# Altium PCB PCIe_to_M2E.PcbDoc (part 4 of 6) (continued)
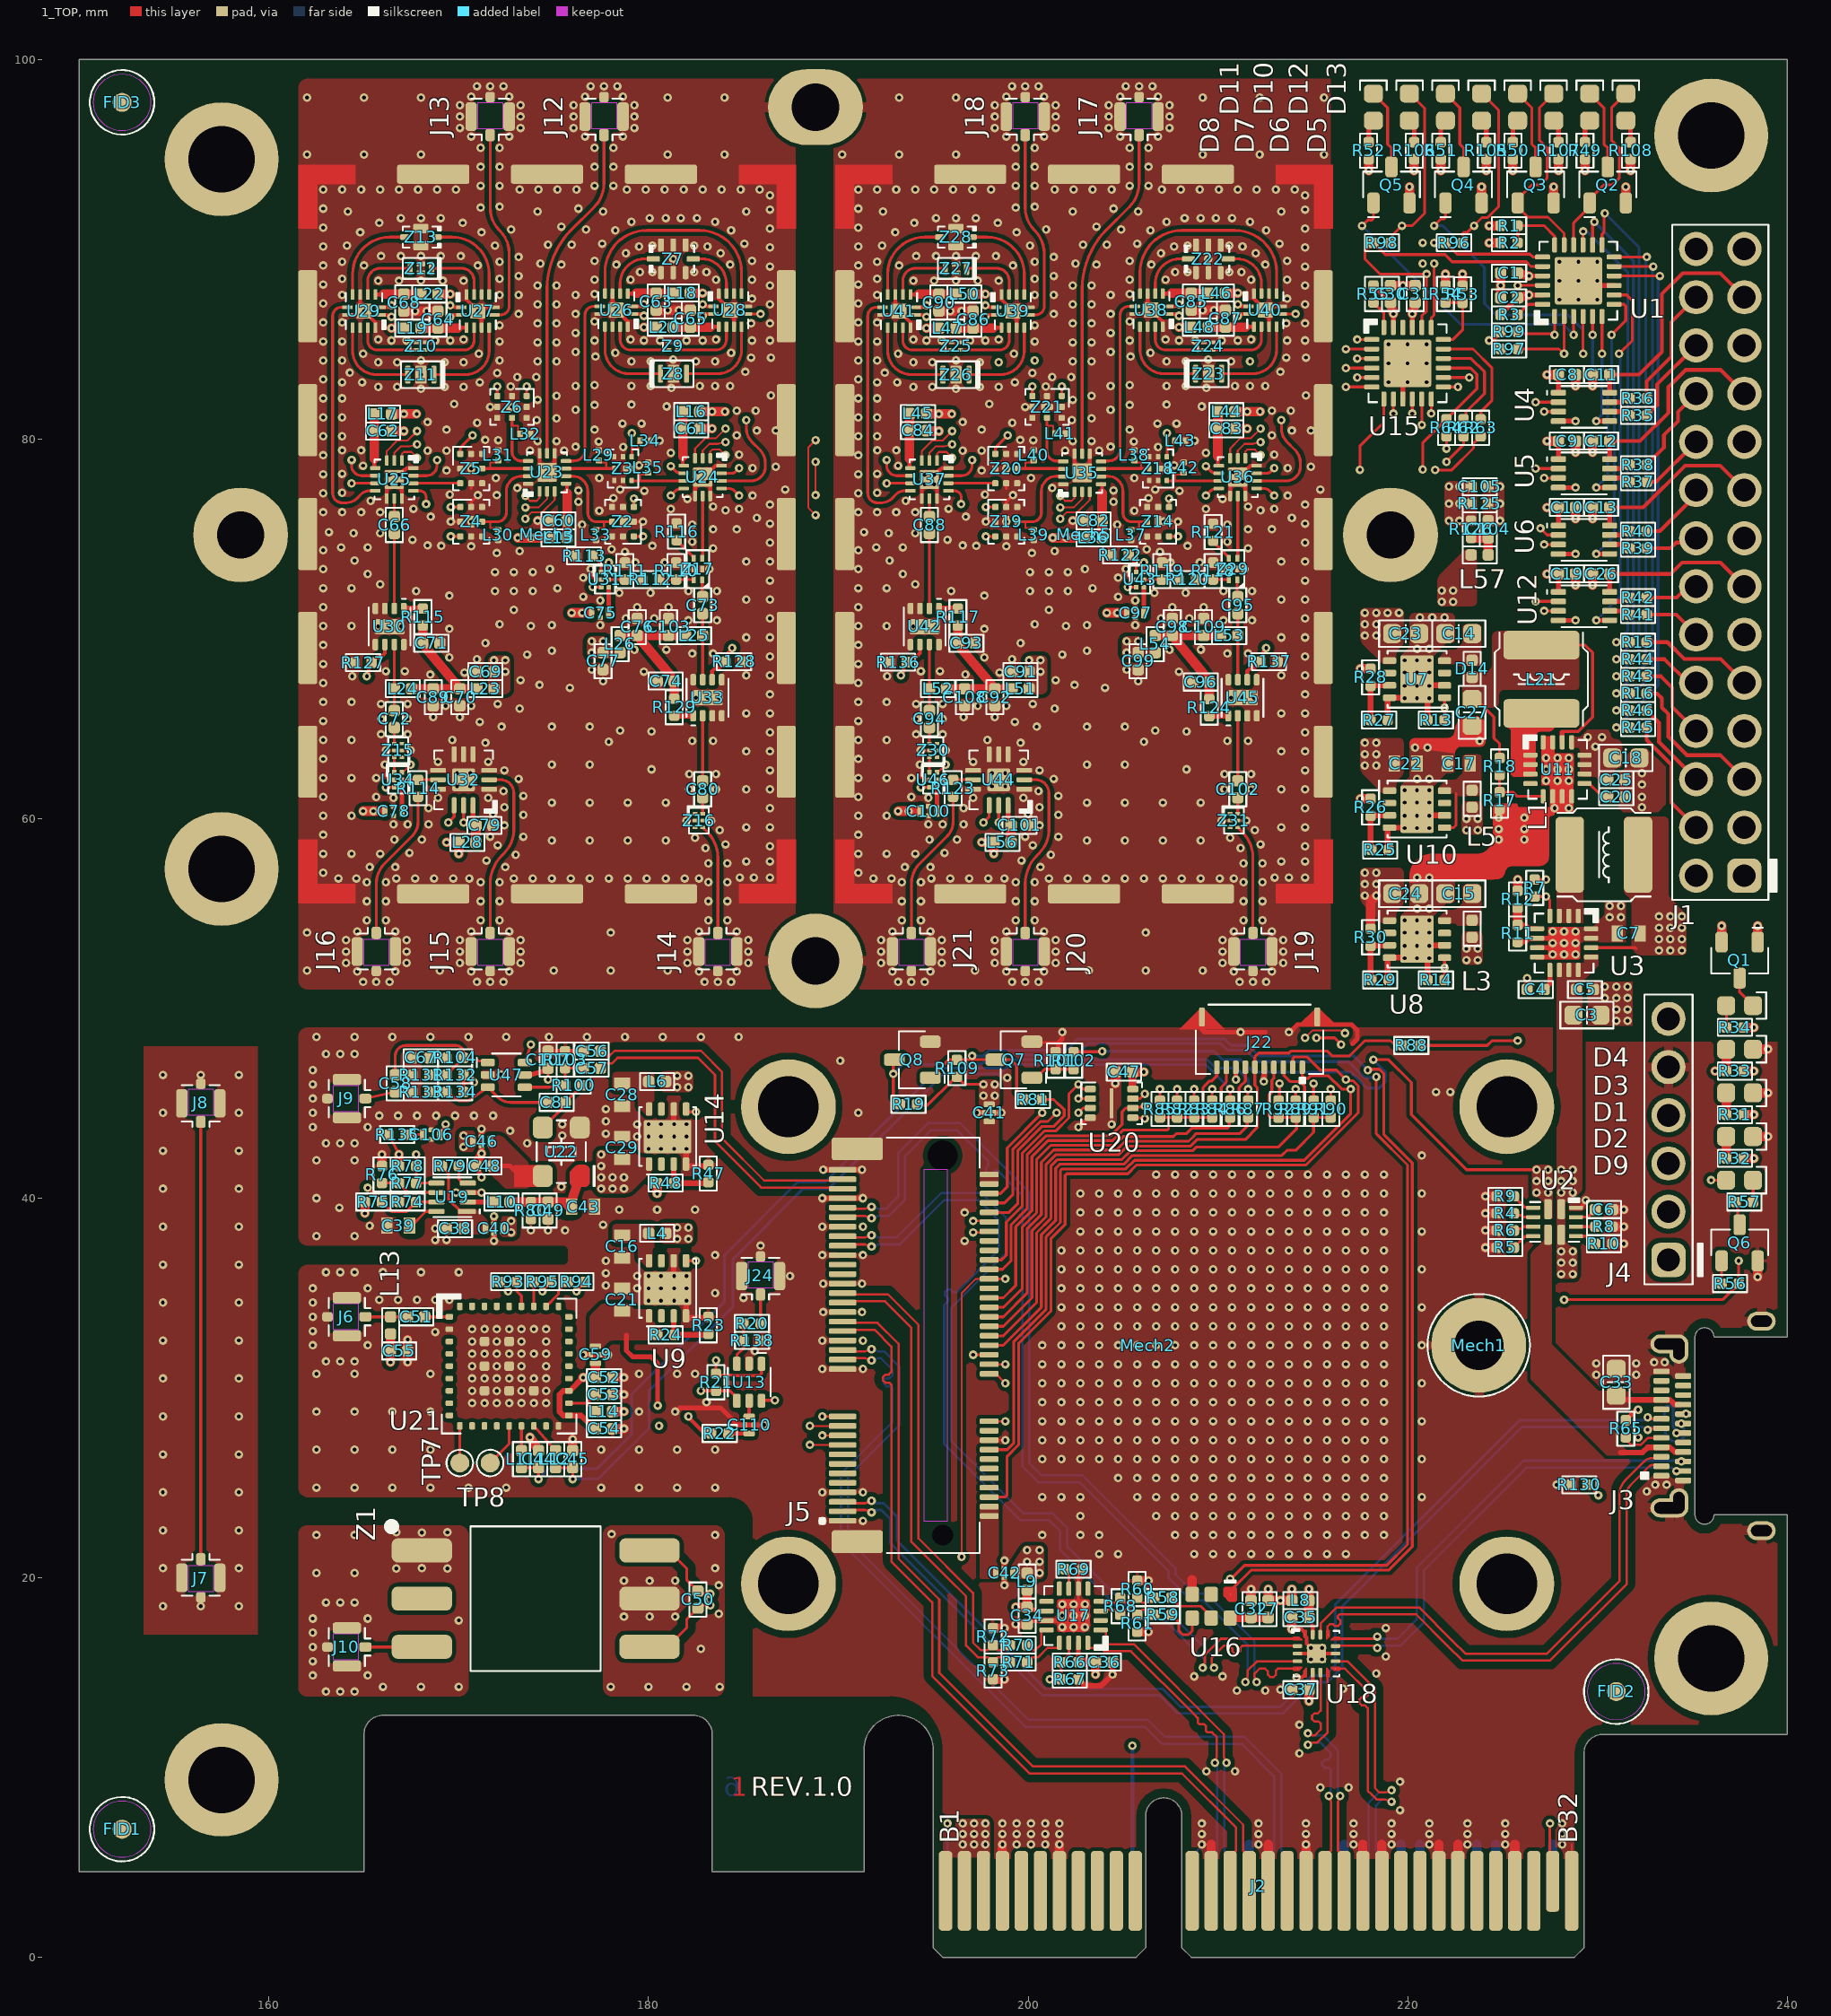
[diagram p0: 1_TOP view]
## Nets (pads, with @x,y where several pads share a name; then routed paths per layer and width w, separated by ;. In a path a pad name is that pad's centre, name@x,y a point inside that pad or via, vN(x,y) a via of type N, cw(c..) or ccw(c..) an arc to the next point about the centre after c; other vN are vias at no path point) (continued)
NetD4_C: D4.C Q1.3 | length 1.7
  1_TOP w0.15: Q1.3@237.5,51.6 237.5,50.86 D4.C@238.21,50.15
NetD5_A: D5.A R49.1 | length 1.2
  1_TOP w0.25: R49.1@229.35,95.65 229.35,96.54 D5.A@229.6,96.79
NetD5_C: D5.C Q2.3 | length 4.3
  1_TOP w0.15: D5.C@229.6,98.21 230.35,97.46 230.35,95.55 230.55,95.35 Q2.3@230.55,94.35
NetD6_A: D6.A R50.1 | length 1.2
  1_TOP w0.25: R50.1@225.55,95.65 225.55,96.54 D6.A@225.8,96.79
NetD6_C: D6.C Q3.3 | length 4.3
  1_TOP w0.15: D6.C@225.8,98.21 226.55,97.46 226.55,95.55 226.75,95.35 Q3.3@226.75,94.35
NetD7_A: D7.A R51.1 | length 1.2
  1_TOP w0.25: R51.1@221.75,95.65 221.75,96.54 D7.A@222,96.79
NetD7_C: D7.C Q4.3 | length 4.3
  1_TOP w0.15: D7.C@222,98.21 222.75,97.46 222.75,95.55 222.95,95.35 Q4.3@222.95,94.35
NetD8_A: D8.A R52.1 | length 1.2
  1_TOP w0.25: R52.1@217.95,95.65 217.95,96.54 D8.A@218.2,96.79
NetD8_C: D8.C Q5.3 | length 4.3
  1_TOP w0.15: D8.C@218.2,98.21 218.95,97.46 218.95,95.55 219.15,95.35 Q5.3@219.15,94.35
NetD9_C: D9.C R57.1 | length 1.2
  1_TOP w0.15: R57.1@238.2,39.8 238.21,39.81 D9.C@238.21,40.95
NetD10_A: D10.A R105.1 | length 1.2
  1_TOP w0.25: D10.A@223.9,96.79 224.15,96.54 R105.1@224.15,95.65
NetD11_A: D11.A R106.1 | length 1.2
  1_TOP w0.25: D11.A@220.1,96.79 220.35,96.54 R106.1@220.35,95.65
NetD12_A: D12.A R107.1 | length 1.2
  1_TOP w0.25: D12.A@227.7,96.79 227.95,96.54 R107.1@227.95,95.65
NetD13_A: D13.A R108.1 | length 1.2
  1_TOP w0.25: D13.A@231.5,96.79 231.75,96.54 R108.1@231.75,95.65
NetJ1_4: J1.4 R45.1 | length 6.3
  1_TOP w0.2: R45.1@232.6,64.8 232.6,64.151 233.9,62.851 233.9,60.85 J1.4@235.21,59.54
NetJ1_5: J1.5 R16.2 | length 8
  1_TOP w0.2: R16.2@232.6,66.6 233.15,66.6 233.4,66.35 233.4,65.85 233.75,65.5 233.75,64.312 234.712,63.35 236,63.35 236.48,63.35 J1.5@237.75,62.08
NetJ1_6: J1.6 R46.1 | length 4.7
  1_TOP w0.2: R46.1@232.6,65.7 233.25,65.05 233.25,64.04 J1.6@235.21,62.08
NetJ1_8: J1.8 R43.1 | length 4.4
  1_TOP w0.2: R43.1@232.6,67.5 233.35,67.5 233.95,66.9 233.95,65.88 J1.8@235.21,64.62
NetJ1_9: J1.9 R15.2 | length 6
  1_TOP w0.2: R15.2@232.6,69.3 233.7,69.3 234.59,68.41 236.5,68.41 J1.9@237.75,67.16
NetJ1_10: J1.10 R44.1 | length 3.1
  1_TOP w0.2: R44.1@232.6,68.4 233.55,68.4 234.79,67.16 J1.10@235.21,67.16
NetJ1_12: J1.12 R41.1 | length 3
  1_TOP w0.2: R41.1@232.6,70.75 234.16,70.75 J1.12@235.21,69.7
NetJ1_14: J1.14 R42.1 | length 2.9
  1_TOP w0.2: R42.1@232.6,71.65 234.187,71.65 234.777,72.24 J1.14@235.21,72.24
NetJ1_16: J1.16 R39.1 | length 2.8
  1_TOP w0.2: R39.1@232.6,74.25 233.85,74.25 234.146,74.546 234.976,74.546 J1.16@235.21,74.78
NetJ1_18: J1.18 R40.1 | length 3.7
  1_TOP w0.2: R40.1@232.6,75.15 233.3,75.15 235.21,77.06 J1.18@235.21,77.32
NetJ1_20: J1.20 R37.1 | length 3.5
  1_TOP w0.2: R37.1@232.6,77.75 233.1,77.75 J1.20@235.21,79.86
NetJ1_22: J1.22 R38.1 | length 4.8
  1_TOP w0.2: R38.1@232.6,78.65 233.506,79.556 233.506,80.206 234.25,80.95 234.25,81.44 J1.22@235.21,82.4
NetJ1_24: J1.24 R35.1 | length 4.8
  1_TOP w0.2: R35.1@232.6,81.25 233.15,81.8 233.15,82.88 J1.24@235.21,84.94
NetJ1_26: J1.26 R36.1 | length 6.4
  1_TOP w0.2: R36.1@232.6,82.15 232.6,83.05 233.9,84.35 233.9,86.17 J1.26@235.21,87.48
NetJ5_66: J5.66 R81.1 | length 9.4
  1_TOP w0.15: J5.66@197.95,39.25 199,39.25 199.45,39.7 199.45,42.493 200.747,43.79 201.356,43.79 201.9,44.334 201.9,44.666 201.666,44.9 201.65,44.9 201.35,45.2 R81.1@200.7,45.2
NetJ7_1: J7.1 J8.1 | length 22.9
  1_TOP w0.15: J7.1@156.4,21.075 J8.1@156.4,44.025
NetJ7_SH: J7.SH J8.SH
  other v1: 154.4,18.5 156.4,18.5 158.4,18.5 154.4,20.5 158.4,20.5 154.4,22.5 158.4,22.5 154.4,24.5 158.4,24.5 154.4,26.5 158.4,26.5 154.4,28.5 158.4,28.5 154.4,30.5 158.4,30.5 154.4,32.5 158.4,32.5 154.4,34.5 158.4,34.5 154.4,36.5 158.4,36.5 154.4,38.5 158.4,38.5 154.4,40.5 158.4,40.5 154.4,42.5 158.4,42.5 154.4,44.5 158.4,44.5 154.4,46.5 156.4,46.5 158.4,46.5
NetJ10_1: J10.1 Z1.4 | length 2.8
  1_TOP w0.15: J10.1@165.25,16.35 168.04,16.35 Z1.4@168.05,16.36
NetJ12_1: J12.1 U23.9 | length 17.8
  1_TOP w0.15: U23.9@174.65,79.25 174.65,87.943 cw(c179.013,87.943) 175.928,91.028 177.12,92.22 ccw(c175.839,93.5) 177.65,93.5 J12.1@177.65,96.025
NetJ13_1: J13.1 U27.7 | length 10.3
  1_TOP w0.15: J13.1@171.65,96.025 171.65,92.207 ccw(c173.357,92.207) 172.15,91 ; U27.7@171.875,86.55 172.2,86.55 ccw(c172.2,87) 172.65,87 172.65,89.793 ccw(c170.943,89.793) 172.151,90.999
NetJ14_1: J14.1 Z16.4 | length 5.8
  1_TOP w0.15: Z16.4@182.85,59.54 183.095,59.295 cw(c181.755,57.955) 183.65,57.955 J14.1@183.65,53.975
NetJ15_1: J15.1 U32.2 | length 9.4
  1_TOP w0.15: U32.2@171.595,62.05 172.2,62.05 cw(c172.2,61.35) 172.9,61.35 172.9,59.407 cw(c171.193,59.407) 172.4,58.2 172.275,58.075 ; J15.1@171.65,54 171.65,56.566 cw(c173.784,56.566) 172.275,58.075
NetJ16_1: J16.1 R114.1 | length 8
  1_TOP w0.15: J16.1@165.65,53.975 165.65,56.582 cw(c167.142,56.582) 166.087,57.637 167.545,59.095 ccw(c166.808,59.832) 167.85,59.832 R114.1@167.85,61.15
NetJ17_1: J17.1 U35.9 | length 17.8
  1_TOP w0.15: U35.9@202.85,79.25 202.85,87.943 cw(c207.213,87.943) 204.128,91.028 205.32,92.22 ccw(c204.039,93.5) 205.85,93.5 J17.1@205.85,96.025
NetJ18_1: J18.1 U39.7 | length 10.3
  1_TOP w0.15: J18.1@199.85,96.025 199.85,92.207 ccw(c201.557,92.207) 200.35,91 ; U39.7@200.075,86.55 200.4,86.55 ccw(c200.4,87) 200.85,87 200.85,89.793 ccw(c199.143,89.793) 200.351,90.999
NetJ19_1: J19.1 Z31.4 | length 5.8
  1_TOP w0.15: Z31.4@211.05,59.54 211.295,59.295 cw(c209.955,57.955) 211.85,57.955 J19.1@211.85,53.975
NetJ20_1: J20.1 U44.2 | length 9.4
  1_TOP w0.15: U44.2@199.795,62.05 200.4,62.05 cw(c200.4,61.35) 201.1,61.35 201.1,59.407 cw(c199.393,59.407) 200.6,58.2 200.475,58.075 ; J20.1@199.85,54 199.85,56.566 cw(c201.984,56.566) 200.475,58.075
NetJ21_1: J21.1 R123.1 | length 8
  1_TOP w0.15: J21.1@193.85,53.975 193.85,56.582 cw(c195.342,56.582) 194.287,57.637 195.745,59.095 ccw(c195.008,59.832) 196.05,59.832 R123.1@196.05,61.15
NetJ24_1: J24.1 R20.2 | length 1.5
  1_TOP w0.12: J24.1@185.9,34.75 J24.1@185.9,34.904
  1_TOP w0.15: R20.2@185.9,33.4 J24.1@185.9,34.75
NetL1_1: L1.1 U3.1 U3.2 U3.3
NetL10_1: L10.1 U19.2 | length 1.1
  1_TOP w0.25: U19.2@170.475,39.8 L10.1@171.55,39.8
NetL11_2: L11.2 U21.15 | length 1.3
  1_TOP w0.15: L11.2@173.3,26.7 U21.15@173.3,28
NetL12_2: L12.2 U21.16 | length 1.7
  1_TOP w0.15: U21.16@173.95,28 174.333,27.567 L12.2@175.1,26.7
NetL21_1: L21.1 U11.1 U11.2 U11.3 | length 3.4
  1_TOP w0.1: U11.3@226.475,62.35 U11.2@226.475,62.85 U11.1@226.475,63.35 226.475,64.975 L21.1@227.05,65.55
NetL29_1: L29.1 U23.6 Z3.6 | length 3.3
  1_TOP w0.1: L29.1@177.34,78.875 177.44,78.775 177.765,78.775 177.765,78.45
  1_TOP w0.15: U23.6@175.65,78.45 177.765,78.45 Z3.6@178.19,78.45
NetL30_1: L30.1 U23.13 Z4.6 | length 5.1
  1_TOP w0.1: 171.65,75.65 171.65,75.325 171.975,75.325 L30.1@172.075,75.225
  1_TOP w0.15: Z4.6@171.225,75.65 171.65,75.65 172.025,75.65 ccw(c172.025,76.125) 172.5,76.125 172.5,77.25 cw(c173.3,77.25) 173.3,78.05 U23.13@173.65,78.05
NetL31_1: L31.1 U23.12 Z5.6 | length 3.2
  1_TOP w0.1: 171.65,78.45 171.65,78.775 171.975,78.775 L31.1@172.075,78.875
  1_TOP w0.15: Z5.6@171.225,78.45 171.65,78.45 172.225,78.45 U23.12@173.65,78.45
NetL32_1: L32.1 U23.11 Z6.6 | length 3.7
  1_TOP w0.1: 172.8,80.7 173.125,80.7 173.125,80.375 L32.1@173.225,80.275
  1_TOP w0.15: Z6.6@172.8,81.125 172.8,80.7 172.8,79.345 ccw(c173.295,79.345) 173.295,78.85 U23.11@173.65,78.85
NetL33_1: L33.1 U23.5 Z2.6 | length 5.1
  1_TOP w0.1: L33.1@177.225,75.225 177.325,75.325 177.65,75.325 177.65,75.65
  1_TOP w0.15: U23.5@175.65,78.05 176,78.05 cw(c176,77.25) 176.8,77.25 176.8,76.1 ccw(c177.25,76.1) 177.25,75.65 177.65,75.65 Z2.6@178.075,75.65
NetL34_1: L34.1 U25.6 Z3.3 | length 24.2
  1_TOP w0.1: 179.125,79.5 179.45,79.5 179.45,79.825 L34.1@179.55,79.925
  1_TOP w0.15: v1(164.35,77.675) U25.6@165.6,77.675 ; Z3.3@179.125,79.075 179.125,79.5 v1(179.125,80.325)
  5_Signal w0.1: v1(164.35,77.675) 164.35,76.2 ccw(c165.195,76.2) 164.597,75.603 166.2,74 ; 166.201,73.999 ccw(c167.407,75.207) 167.407,73.5 172.466,73.5 ccw(c172.466,76.684) 174.718,74.432 178.568,78.282 ccw(c177.222,79.628) 178.568,78.283 ccw(c177.222,79.628) 179.125,79.628 v1(179.125,80.325)
NetL35_1: L35.1 U24.6 Z3.1 | length 3.5
  1_TOP w0.1: 179.55,77.8 179.55,78.125 179.875,78.125 L35.1@179.975,78.225
  1_TOP w0.15: Z3.1@179.125,77.8 179.55,77.8 U24.6@181.85,77.8
NetL37_1: L37.1 U35.5 Z14.6 | length 5.1
  1_TOP w0.1: L37.1@205.425,75.225 205.525,75.325 205.85,75.325 205.85,75.65
  1_TOP w0.15: U35.5@203.85,78.05 204.2,78.05 cw(c204.2,77.25) 205,77.25 205,76.1 ccw(c205.45,76.1) 205.45,75.65 205.85,75.65 Z14.6@206.275,75.65
NetL38_1: L38.1 U35.6 Z18.6 | length 3.3
  1_TOP w0.1: L38.1@205.54,78.875 205.64,78.775 205.965,78.775 205.965,78.45
  1_TOP w0.15: U35.6@203.85,78.45 205.965,78.45 Z18.6@206.39,78.45
NetL39_1: L39.1 U35.13 Z19.6 | length 5.1
  1_TOP w0.1: 199.85,75.65 199.85,75.325 200.175,75.325 L39.1@200.275,75.225
  1_TOP w0.15: Z19.6@199.425,75.65 199.85,75.65 200.225,75.65 ccw(c200.225,76.125) 200.7,76.125 200.7,77.25 cw(c201.5,77.25) 201.5,78.05 U35.13@201.85,78.05
NetL40_1: L40.1 U35.12 Z20.6 | length 3.2
  1_TOP w0.1: 199.85,78.45 199.85,78.775 200.175,78.775 L40.1@200.275,78.875
  1_TOP w0.15: Z20.6@199.425,78.45 199.85,78.45 200.425,78.45 U35.12@201.85,78.45
NetL41_1: L41.1 U35.11 Z21.6 | length 3.7
  1_TOP w0.1: 201,80.7 201.325,80.7 201.325,80.375 L41.1@201.425,80.275
  1_TOP w0.15: Z21.6@201,81.125 201,80.7 201,79.345 ccw(c201.495,79.345) 201.495,78.85 U35.11@201.85,78.85
NetL42_1: L42.1 U36.6 Z18.1 | length 3.5
  1_TOP w0.1: 207.75,77.8 207.75,78.125 208.075,78.125 L42.1@208.175,78.225
  1_TOP w0.15: Z18.1@207.325,77.8 207.75,77.8 U36.6@210.05,77.8
NetL43_1: L43.1 U37.6 Z18.3 | length 24.2
  1_TOP w0.1: 207.325,79.5 207.65,79.5 207.65,79.825 L43.1@207.75,79.925
  1_TOP w0.15: v1(192.55,77.675) U37.6@193.8,77.675 ; Z18.3@207.325,79.075 207.325,79.5 v1(207.325,80.325)
  5_Signal w0.1: v1(192.55,77.675) 192.55,76.2 ccw(c193.395,76.2) 192.797,75.603 194.4,74 ; 194.401,73.999 ccw(c195.607,75.207) 195.607,73.5 200.666,73.5 ccw(c200.666,76.684) 202.918,74.432 206.768,78.282 ccw(c205.422,79.628) 206.768,78.283 ccw(c205.422,79.628) 207.325,79.628 v1(207.325,80.325)
NetQ6_1: Q6.1 R56.2 | length 1.2
  1_TOP w0.15: R56.2@236.55,35.5 Q6.1@236.55,36.7
NetQ6_3: Q6.3 R57.2 | length 1.3
  1_TOP w0.15: R57.2@237.3,39.8 237.4,39.7 237.4,38.7 Q6.3@237.5,38.6
NetQ7_1: Q7.1 R101.2 R102.1 | length 2.4
  1_TOP w0.15: Q7.1@200.2,46.35 200.425,46.35 200.875,46.8 R101.2@201.45,46.8 R102.1@202.4,46.8 R102.1@202.383,46.783
NetR1_2: R1.2 R2.2 U1.18 | length 3.5
  1_TOP w0.15: R2.2@225.8,90.35 R1.2@225.8,91.25 227.2,91.25 227.75,90.7 U1.18@227.75,90.235
NetR3_2: R3.2 U1.24 | length 1.5
  1_TOP w0.15: R3.2@225.8,86.55 226.35,87.1 U1.24@227.115,87.1
NetR4_2: R4.2 U2.4 | length 1.1
  1_TOP w0.15: R4.2@225.6,39.2 225.694,39.106 225.994,39.106 226.1,39 U2.4@226.625,39
NetR5_2: R5.2 U2.6 | length 1.3
  1_TOP w0.15: R5.2@225.6,37.4 226.177,37.977 226.602,37.977 U2.6@226.625,38
NetR6_2: R6.2 U2.5 | length 1.1
  1_TOP w0.15: R6.2@225.6,38.3 225.694,38.394 225.994,38.394 226.1,38.5 U2.5@226.625,38.5
NetR8_2: R8.2 U2.10 | length 1
  1_TOP w0.15: U2.10@228.875,38.5 R8.2@229.9,38.5
NetR9_1: R9.1 U2.3 | length 1.3
  1_TOP w0.15: R9.1@225.6,40.1 226.177,39.523 226.602,39.523 U2.3@226.625,39.5
NetR10_1: R10.1 U2.9 | length 1.2
  1_TOP w0.15: U2.9@228.875,38 229.5,38 R10.1@229.9,37.6
NetR11_2: R11.2 R12.1 U3.5 | length 2
  1_TOP w0.25: R11.2@225.8,54.4 226.2,54.4 226.4,54.2 U3.5@226.825,54.2
  1_TOP w0.5: R11.2@225.8,54.4 R12.1@225.8,55.3
NetR17_2: R17.2 R18.1 U11.5 | length 3.2
  1_TOP w0.15: R18.1@224.85,62.25 R17.2@224.85,61.4 225.55,61.4 225.775,61.175 U11.5@227.15,61.175
NetR20_1: R20.1 R138.1 U13.3 | length 2.3
  1_TOP w0.15: U13.3@184.65,31.275 184.65,31.75 185,32.1 R138.1@185,32.5 R20.1@185,33.4
NetR23_2: R23.2 R24.1 U9.3 | length 2.8
  1_TOP w0.3: U9.3@181.325,33.8 R24.1@181.35,32.8 R23.2@183.15,32.8
NetR25_2: R25.2 R26.1 U10.3 | length 2.8
  1_TOP w0.3: R25.2@218.05,58.35 R26.1@218.05,60.15 U10.3@219.05,60.175
NetR27_2: R27.2 R28.1 U7.3 | length 2.8
  1_TOP w0.3: R27.2@218.05,65.2 R28.1@218.05,67 U7.3@219.05,67.025
NetR29_2: R29.2 R30.1 U8.3 | length 2.8
  1_TOP w0.3: R29.2@218.05,51.5 R30.1@218.05,53.3 U8.3@219.05,53.325
NetR47_2: R47.2 R48.1 U14.3 | length 2.8
  1_TOP w0.3: U14.3@181.325,41.8 R48.1@181.35,40.8 R47.2@183.15,40.8
NetR53_2: R53.2 R54.2 U15.18 | length 3.6
  1_TOP w0.15: U15.18@221.885,85.25 222.4,85.25 222.9,85.75 222.9,87.2 R54.2@222,87.2
NetR55_2: R55.2 U15.24 | length 1.5
  1_TOP w0.15: R55.2@218.2,87.2 218.75,86.65 U15.24@218.75,85.885
NetR58_1: R58.1 U16.5 | length 2.6
  1_TOP w0.14: R58.1@207.55,18.95 208,18.5 209.1,18.5 209.65,17.95 U16.5@209.65,17.875
NetR59_1: R59.1 U16.4 | length 2.6
  1_TOP w0.14: R59.1@207.55,18.05 207.95,17.65 207.95,17.2 208.1,17.05 208.15,17 208.45,17 208.65,17.2 U16.4@208.65,17.875
NetR69_2: R69.2 U17.7 | length 1.2
  1_TOP w0.15: R69.2@201.95,20.45 202.05,20.45 202.15,20.35 U17.7@202.15,19.425
NetR70_1: R70.1 U17.12 | length 2
  1_TOP w0.12: R70.1@199.95,16.45 200.215,16.185 200.385,16.185 200.7,16.5 200.7,17.2 200.75,17.25 U17.12@200.975,17.25
NetR71_1: R71.1 U17.13 | length 2.3
  1_TOP w0.12: R71.1@199.95,15.55 200.215,15.815 200.538,15.815 201.023,16.3 201.6,16.3 201.65,16.35 U17.13@201.65,16.575
NetR74_1: R74.1 R76.2 R77.1 U19.6 | length 3.8
  1_TOP w0.15: R76.2@165.95,40.8 R77.1@166.85,40.8 167.35,40.3 ; R74.1@166.85,39.8 167.35,40.3 ; U19.6@168.825,40.3 167.35,40.3
NetR79_1: R79.1 U19.4 | length 1.3
  1_TOP w0.15: R79.1@170.1,41.7 170,41.6 170,41 170.2,40.8 U19.4@170.475,40.8
NetR93_2: R93.2 U21.31 | length 1.4
  1_TOP w0.15: R93.2@173.05,35.6 173.05,35.1 173.3,34.85 U21.31@173.3,34.3
NetR94_2: R94.2 U21.29 | length 1.8
  1_TOP w0.15: U21.29@174.6,34.3 175.25,34.95 175.25,35.1 R94.2@175.75,35.6
NetR95_2: R95.2 U21.30 | length 1.3
  1_TOP w0.15: U21.30@173.95,34.3 R95.2@173.95,35.6
NetR110_2: R110.2 R112.2 Z17.6 | length 1.9
  1_TOP w0.15: R112.2@180.55,72.6 R110.2@181.45,72.6 Z17.6@182.378,72.6 ; Z17.6@182.358,72.6 Z17.6@182.378,72.58
NetR111_2: R111.2 R112.1 U31.5 | length 1.7
  1_TOP w0.15: U31.5@177.9,72.6 R111.2@178.75,72.6 R112.1@179.65,72.6
NetR113_1: R113.1 U31.1 | length 1
  1_TOP w0.15: R113.1@177.05,73.85 177.5,73.4 U31.1@177.5,73
NetR114_2: R114.2 U32.8 U34.5 | length 1.9
  1_TOP w0.15: U34.5@167,62.05 R114.2@167.85,62.05 U32.8@168.905,62.05
NetR115_2: R115.2 U30.1 | length 1
  1_TOP w0.3: U30.1@167.1,71.075 R115.2@168.1,71.075
NetR116_1: R116.1 Z17.4 | length 1.2
  1_TOP w0.15: R116.1@181.55,74.6 182.378,73.772 Z17.4@182.378,73.72
NetR117_2: R117.2 U42.1 | length 1
  1_TOP w0.3: U42.1@195.3,71.075 R117.2@196.3,71.075
NetR118_2: R118.2 R120.2 Z29.6 | length 1.9
  1_TOP w0.15: R120.2@208.75,72.6 209.65,72.6 Z29.6@210.578,72.6 ; Z29.6@210.558,72.6 Z29.6@210.578,72.58
NetR119_2: R119.2 R120.1 U43.5 | length 1.7
  1_TOP w0.15: U43.5@206.1,72.6 206.95,72.6 R120.1@207.85,72.6
NetR121_1: R121.1 Z29.4 | length 1.2
  1_TOP w0.15: R121.1@209.75,74.6 210.578,73.772 Z29.4@210.578,73.72
NetR122_1: R122.1 U43.1 | length 1
  1_TOP w0.15: R122.1@205.25,73.85 205.7,73.4 U43.1@205.7,73
NetR123_2: R123.2 U44.8 U46.5 | length 1.9
  1_TOP w0.15: U46.5@195.2,62.05 R123.2@196.05,62.05 U44.8@197.105,62.05
NetR124_1: R124.1 U45.1 | length 1
  1_TOP w0.3: R124.1@209.55,65.425 U45.1@210.55,65.425
NetR129_2: R129.2 U33.1 | length 1
  1_TOP w0.3: R129.2@181.35,65.425 U33.1@182.35,65.425
NetU24_5: U24.5 Z2.1 | length 6
  1_TOP w0.15: Z2.1@179.2,74.875 Z2.1@179.225,74.875 v1(179.7,74.875) ; v1(181.175,78.575) 181.437,78.313 ccw(c181.709,78.584) 181.709,78.2 U24.5@181.85,78.2
  5_Signal w0.1: v1(179.7,74.875) ccw(c179.7,75.425) 180.25,75.425 180.25,77.9 cw(c180.925,77.9) 180.925,78.575 v1(181.175,78.575)
NetU24_11: U24.11 Z6.1 | length 20.2
  1_TOP w0.15: Z6.1@173.575,82.275 v1(173.575,82.775) ; U24.11@183.85,77.4 184.241,77.4 cw(c184.241,77.016) 184.513,77.288 v1(184.775,77.025)
  5_Signal w0.1: v1(173.575,82.775) 174.368,82.775 ccw(c174.368,83.757) 175.062,83.062 ; 175.063,83.063 cw(c175.877,82.248) 175.877,83.4 183.946,83.4 cw(c183.946,81.943) 184.977,82.973 185.85,82.1 ; v1(184.775,77.025) 185.811,78.061 ccw(c184.872,79) 186.2,79 186.2,81.255 ccw(c185.005,81.255) 185.851,82.099
NetU24_12: U24.12 Z5.1 | length 22.6
  1_TOP w0.15: Z5.1@170.075,79.225 170.075,79.425 cw(c170.377,79.425) 170.163,79.638 ; 170.163,79.638 v1(170.725,80.2) ; U24.12@183.85,77.8 185.4,77.8 ccw(c185.4,78.55) 186.15,78.55 186.15,78.75 ccw(c185.184,78.75) 185.867,79.433 185.451,79.849 cw(c186.176,80.575) 185.15,80.575 v1(185.15,81)
  5_Signal w0.1: v1(170.725,80.2) cw(c171.329,79.596) 171.329,80.45 171.7,80.45 ccw(c171.7,82.2) 172.937,80.962 173.013,81.038 ; 173.013,81.038 cw(c174.37,79.68) 174.37,81.6 175.005,81.6 ccw(c175.005,82.795) 175.85,81.95 cw(c176.695,81.105) 176.695,82.3 184.09,82.3 cw(c184.09,81.19) 184.874,81.976 ; 184.875,81.975 184.944,81.906 cw(c184.446,81.409) 185.15,81.409 v1(185.15,81)
NetU24_13: U24.13 Z4.1 | length 20.1
  1_TOP w0.15: v1(169.575,76.425) Z4.1@170.075,76.425 ; U24.13@183.85,78.2 184.359,78.2 ccw(c184.359,78.541) 184.6,78.3 v1(184.775,78.475) ; v1@184.725,78.525 v1@184.775,78.575
  5_Signal w0.1: v1(169.575,76.425) 173.049,79.899 cw(c174.5,78.448) 174.5,80.5 175.921,80.5 ccw(c175.921,81.354) 176.524,80.749 ; 176.525,80.75 176.713,80.938 cw(c177.648,80.002) 177.648,81.325 179.869,81.325 cw(c179.869,79.68) 181.032,80.843 183.012,78.863 183.682,78.193 ccw(c184.088,78.598) 184.088,78.025 ccw(c184.088,78.598) 184.493,78.193 v1(184.775,78.475)
NetU25_5: U25.5 Z2.3 | length 25.2
  1_TOP w0.15: v1(164.351,78.911) 164.351,78.599 ccw(c164.875,78.599) 164.875,78.075 U25.5@165.6,78.075 ; Z2.3@179.225,76.425 v1(179.225,76.875)
  5_Signal w0.1: v1(164.351,78.911) 164.006,78.911 ccw(c164.006,78.255) 163.35,78.255 163.35,76.25 ccw(c165.316,76.25) 163.926,74.86 165.593,73.193 ccw(c167.266,74.866) 167.266,72.5 174.403,72.5 ccw(c174.403,73.58) 175.166,72.816 v1(179.225,76.875)
NetU25_11: U25.11 Z6.3 | length 9.4
  1_TOP w0.15: U25.11@167.6,77.275 167.95,77.275 cw(c167.95,76.95) 168.275,76.95 v1(168.275,76.575) ; Z6.3@172.025,82.275 v1(172.025,82.775)
  5_Signal w0.1: v1(168.275,76.575) 169.679,77.979 ccw(c169.267,78.391) 169.85,78.391 169.85,80.175 cw(c170.876,80.175) 170.151,80.9 v1(172.025,82.775)
NetU25_12: U25.12 Z5.3 | length 2.2
  1_TOP w0.15: U25.12@167.85,77.675 Z5.3@170.075,77.675
NetU25_13: U25.13 Z4.3 | length 8.9
  1_TOP w0.15: U25.13@167.6,78.075 168.3,78.075 ccw(c168.3,78.625) 168.85,78.625 v1(168.85,78.9) ; v1(169.575,74.875) Z4.3@170.075,74.875
  5_Signal w0.1: v1(168.85,78.9) 167.591,77.641 ccw(c168.822,76.409) 167.081,76.409 ccw(c168.615,76.409) 168.615,74.875 v1(169.575,74.875)
NetU26_4: U26.4 Z7.1 | length 3
  1_TOP w0.15: U26.4@178.5,87.675 178.5,88.205 cw(c179.795,88.205) 179.795,89.5 Z7.1@180.25,89.5
NetU26_6: U26.6 U28.9 | length 12
  1_TOP w0.15: U26.6@177.7,87.675 177.7,88.8 cw(c179.9,88.8) 179.9,91 182.7,91 cw(c182.7,88.8) 184.9,88.8 U28.9@184.9,87.675
NetU26_7: U23.7 U26.7 | length 9.5
  1_TOP w0.15: U23.7@175.65,78.85 176.05,78.85 ccw(c176.05,79.45) 176.65,79.45 176.65,86.55 cw(c177.1,86.55) 177.1,87 U26.7@177.425,87
NetU26_9: U26.9 Z8.1 | length 4.9
  1_TOP w0.15: U26.9@177.7,85.925 177.7,84.71 ccw(c178.96,84.71) 178.96,83.45 Z8.1@180.625,83.45
NetU26_11: U26.11 Z9.1 | length 3.6
  1_TOP w0.15: U26.11@178.5,85.925 178.5,85.25 ccw(c179.05,85.25) 179.05,84.7 Z9.1@181.062,84.7
NetU27_4: U27.4 Z10.2 | length 3.5
  1_TOP w0.15: Z10.2@168.237,84.7 170.3,84.7 ccw(c170.3,85.2) 170.8,85.199 ; 170.8,85.2 U27.4@170.8,85.875
NetU27_6: U27.6 Z11.1 | length 4.8
  1_TOP w0.15: Z11.1@168.687,83.4 170.34,83.4 ccw(c170.34,84.66) 171.6,84.66 U27.6@171.6,85.875
NetU27_9: U27.9 Z13.1 | length 4.9
  1_TOP w0.15: Z13.1@168.85,90.65 169.652,90.65 cw(c169.652,88.702) 171.6,88.702 U27.9@171.6,87.625
NetU27_11: U27.11 Z12.1 | length 3.3
  1_TOP w0.15: Z12.1@168.562,89 170.15,89 cw(c170.15,88.35) 170.8,88.35 U27.11@170.8,87.625
NetU28_4: U28.4 Z9.2 | length 3.6
  1_TOP w0.15: Z9.2@181.537,84.7 183.55,84.7 ccw(c183.55,85.25) 184.1,85.25 U28.4@184.1,85.925
NetU28_6: U28.6 Z8.3 | length 4.9
  1_TOP w0.15: Z8.3@181.975,83.45 183.64,83.45 ccw(c183.64,84.71) 184.9,84.71 U28.6@184.9,85.925
NetU28_7: U24.7 U28.7 | length 17.6
  1_TOP w0.15: v1(181.175,77.025) 181.437,77.288 cw(c181.709,77.016) 181.709,77.4 U24.7@181.85,77.4 ; U28.7@185.175,86.6 v1@185.8,86.6
  5_Signal w0.1: v1(181.175,77.025) 181.595,76.605 ccw(c183.659,78.67) 183.659,75.75 184.609,75.75 ccw(c184.609,76.454) 185.106,75.956 186.74,77.59 ccw(c185.631,78.7) 187.2,78.7 187.2,81.581 ccw(c184.981,81.581) 186.55,83.15 cw(c188.119,84.719) 185.9,84.719 v1(185.9,86.6)
NetU28_11: U28.11 Z7.3 | length 3
  1_TOP w0.15: Z7.3@182.35,89.5 182.805,89.5 cw(c182.805,88.205) 184.1,88.205 U28.11@184.1,87.675
NetU29_4: U29.4 Z12.3 | length 3.3
  1_TOP w0.15: U29.4@165.2,87.625 165.2,88.35 cw(c165.85,88.35) 165.85,89 Z12.3@167.438,89
NetU29_6: U29.6 Z13.3 | length 4.9
  1_TOP w0.15: U29.6@164.4,87.625 164.4,88.702 cw(c166.348,88.702) 166.348,90.65 Z13.3@167.15,90.65
NetU29_7: U25.7 U29.7 | length 13.1
  1_TOP w0.15: U29.7@164.125,86.95 163.8,86.95 ccw(c163.8,86.5) 163.35,86.5 163.35,77.15 ccw(c163.85,77.15) 163.85,76.65 164.086,76.65 ccw(c164.086,77.408) 164.622,76.872 164.844,77.094 cw(c165.281,76.657) 165.281,77.275 U25.7@165.6,77.275
NetU29_9: U29.9 Z11.3 | length 4.8
  1_TOP w0.15: U29.9@164.4,85.875 164.4,84.66 ccw(c165.66,84.66) 165.66,83.4 Z11.3@167.313,83.4
NetU29_11: U29.11 Z10.1 | length 3.5
  1_TOP w0.15: 165.2,85.199 ccw(c165.7,85.2) 165.7,84.7 Z10.1@167.762,84.7 ; 165.2,85.2 U29.11@165.2,85.875
NetU31_3: U31.3 U34.3 | length 17.5
  1_TOP w0.15: v1(166.15,61.65) U34.3@166.6,61.65 ; v1(177.05,72.2) U31.3@177.5,72.2
  5_Signal w0.1: v1(166.15,61.65) 167.5,61.65 ccw(c167.5,63.702) 168.951,62.251 ; 168.951,62.251 173.358,66.658 ccw(c171.565,68.45) 174.1,68.45 174.1,69.063 cw(c177.087,69.063) 174.975,71.175 175.646,71.846 cw(c176.5,70.993) 176.5,72.2 v1(177.05,72.2)
NetU34_1: U34.1 Z15.6 | length 0.8
  1_TOP w0.15: U34.1@166.6,62.45 Z15.6@166.6,63.24
NetU36_5: U36.5 Z14.1 | length 6
  1_TOP w0.15: Z14.1@207.4,74.875 Z14.1@207.425,74.875 v1(207.9,74.875) ; v1(209.375,78.575) 209.637,78.312 ccw(c209.909,78.584) 209.909,78.2 U36.5@210.05,78.2
  5_Signal w0.1: v1(207.9,74.875) ccw(c207.9,75.425) 208.45,75.425 208.45,77.9 cw(c209.125,77.9) 209.125,78.575 v1(209.375,78.575)
NetU36_11: U36.11 Z21.1 | length 20.2
  1_TOP w0.15: Z21.1@201.775,82.275 v1(201.775,82.775) ; U36.11@212.05,77.4 212.441,77.4 cw(c212.441,77.016) 212.713,77.288 v1(212.975,77.025)
  5_Signal w0.1: v1(201.775,82.775) 202.568,82.775 ccw(c202.568,83.757) 203.262,83.062 ; 203.263,83.063 cw(c204.077,82.248) 204.077,83.4 212.146,83.4 cw(c212.146,81.943) 213.177,82.973 214.05,82.1 ; v1(212.975,77.025) 214.011,78.061 ccw(c213.072,79) 214.4,79 214.4,81.255 ccw(c213.205,81.255) 214.051,82.099
NetU36_12: U36.12 Z20.1 | length 22.6
  1_TOP w0.15: Z20.1@198.275,79.225 198.275,79.425 cw(c198.577,79.425) 198.363,79.638 ; 198.363,79.638 v1(198.925,80.2) ; U36.12@212.05,77.8 213.6,77.8 ccw(c213.6,78.55) 214.35,78.55 214.35,78.75 ccw(c213.384,78.75) 214.067,79.433 213.651,79.849 cw(c214.376,80.575) 213.35,80.575 v1(213.35,81)
  5_Signal w0.1: v1(198.925,80.2) cw(c199.529,79.596) 199.529,80.45 199.9,80.45 ccw(c199.9,82.2) 201.137,80.962 ; 201.137,80.962 201.213,81.038 ; 201.213,81.038 cw(c202.57,79.68) 202.57,81.6 203.205,81.6 ccw(c203.205,82.795) 204.05,81.95 cw(c204.895,81.105) 204.895,82.3 212.29,82.3 cw(c212.29,81.19) 213.074,81.976 ; 213.075,81.975 213.144,81.906 cw(c212.646,81.409) 213.35,81.409 v1(213.35,81)
NetU36_13: U36.13 Z19.1 | length 20.1
  1_TOP w0.15: v1(197.775,76.425) Z19.1@198.275,76.425 ; U36.13@212.05,78.2 212.559,78.2 ccw(c212.559,78.541) 212.8,78.3 v1(212.975,78.475) ; v1@212.925,78.525 v1@212.975,78.575
  5_Signal w0.1: v1(197.775,76.425) 201.249,79.899 cw(c202.7,78.448) 202.7,80.5 204.121,80.5 ccw(c204.121,81.354) 204.724,80.749 ; 204.725,80.75 204.913,80.938 cw(c205.848,80.002) 205.848,81.325 208.069,81.325 cw(c208.069,79.68) 209.232,80.843 211.212,78.863 211.882,78.193 ; 211.882,78.193 ccw(c212.288,78.598) 212.288,78.025 ccw(c212.288,78.598) 212.693,78.193 ; 212.693,78.193 v1(212.975,78.475)
NetU37_5: U37.5 Z14.3 | length 25.2
  1_TOP w0.15: v1(192.551,78.911) 192.551,78.599 ccw(c193.075,78.599) 193.075,78.075 U37.5@193.8,78.075 ; Z14.3@207.425,76.425 v1(207.425,76.875)
  5_Signal w0.1: v1(192.551,78.911) 192.206,78.911 ccw(c192.206,78.255) 191.55,78.255 191.55,76.25 ccw(c193.516,76.25) 192.126,74.86 193.793,73.193 ccw(c195.466,74.866) 195.466,72.5 202.603,72.5 ccw(c202.603,73.58) 203.366,72.816 v1(207.425,76.875)
NetU37_11: U37.11 Z21.3 | length 9.4
  1_TOP w0.15: U37.11@195.8,77.275 196.15,77.275 cw(c196.15,76.95) 196.475,76.95 v1(196.475,76.575) ; Z21.3@200.225,82.275 v1(200.225,82.775)
  5_Signal w0.1: v1(196.475,76.575) 197.879,77.979 ccw(c197.467,78.391) 198.05,78.391 198.05,80.175 cw(c199.076,80.175) 198.351,80.9 v1(200.225,82.775)
NetU37_12: U37.12 Z20.3 | length 2.2
  1_TOP w0.15: U37.12@196.05,77.675 Z20.3@198.275,77.675
NetU37_13: U37.13 Z19.3 | length 8.9
  1_TOP w0.15: U37.13@195.8,78.075 196.5,78.075 ccw(c196.5,78.625) 197.05,78.625 v1(197.05,78.9) ; v1(197.775,74.875) Z19.3@198.275,74.875
  5_Signal w0.1: v1(197.05,78.9) 195.791,77.641 ccw(c197.022,76.409) 195.281,76.409 ccw(c196.815,76.409) 196.815,74.875 v1(197.775,74.875)
NetU38_4: U38.4 Z22.1 | length 3
  1_TOP w0.15: U38.4@206.7,87.675 206.7,88.205 cw(c207.995,88.205) 207.995,89.5 Z22.1@208.45,89.5
NetU38_6: U38.6 U40.9 | length 12
  1_TOP w0.15: U38.6@205.9,87.675 205.9,88.8 cw(c208.1,88.8) 208.1,91 210.9,91 cw(c210.9,88.8) 213.1,88.8 U40.9@213.1,87.675
NetU38_7: U35.7 U38.7 | length 9.5
  1_TOP w0.15: U35.7@203.85,78.85 204.25,78.85 ccw(c204.25,79.45) 204.85,79.45 204.85,86.55 cw(c205.3,86.55) 205.3,87 U38.7@205.625,87
NetU38_9: U38.9 Z23.1 | length 4.9
  1_TOP w0.15: U38.9@205.9,85.925 205.9,84.71 ccw(c207.16,84.71) 207.16,83.45 Z23.1@208.825,83.45
NetU38_11: U38.11 Z24.1 | length 3.6
  1_TOP w0.15: U38.11@206.7,85.925 206.7,85.25 ccw(c207.25,85.25) 207.25,84.7 Z24.1@209.262,84.7
NetU39_4: U39.4 Z25.2 | length 3.5
  1_TOP w0.15: Z25.2@196.437,84.7 198.5,84.7 ccw(c198.5,85.2) 199,85.199 ; 199,85.2 U39.4@199,85.875
NetU39_6: U39.6 Z26.1 | length 4.8
  1_TOP w0.15: Z26.1@196.887,83.4 198.54,83.4 ccw(c198.54,84.66) 199.8,84.66 U39.6@199.8,85.875
NetU39_9: U39.9 Z28.1 | length 4.9
  1_TOP w0.15: Z28.1@197.05,90.65 197.852,90.65 cw(c197.852,88.702) 199.8,88.702 U39.9@199.8,87.625
NetU39_11: U39.11 Z27.1 | length 3.3
  1_TOP w0.15: Z27.1@196.762,89 198.35,89 cw(c198.35,88.35) 199,88.35 U39.11@199,87.625
NetU40_4: U40.4 Z24.2 | length 3.6
  1_TOP w0.15: Z24.2@209.737,84.7 211.75,84.7 ccw(c211.75,85.25) 212.3,85.25 U40.4@212.3,85.925
NetU40_6: U40.6 Z23.3 | length 4.9
  1_TOP w0.15: Z23.3@210.175,83.45 211.84,83.45 ccw(c211.84,84.71) 213.1,84.71 U40.6@213.1,85.925
NetU40_7: U36.7 U40.7 | length 17.6
  1_TOP w0.15: v1(209.375,77.025) 209.637,77.288 cw(c209.909,77.016) 209.909,77.4 U36.7@210.05,77.4 ; U40.7@213.375,86.6 v1@214,86.6
  5_Signal w0.1: v1(209.375,77.025) 209.795,76.605 ccw(c211.859,78.67) 211.859,75.75 212.809,75.75 ccw(c212.809,76.454) 213.306,75.956 214.94,77.59 ccw(c213.831,78.7) 215.4,78.7 215.4,81.581 ccw(c213.181,81.581) 214.75,83.15 cw(c216.319,84.719) 214.1,84.719 v1(214.1,86.6)
NetU40_11: U40.11 Z22.3 | length 3
  1_TOP w0.15: Z22.3@210.55,89.5 211.005,89.5 cw(c211.005,88.205) 212.3,88.205 U40.11@212.3,87.675
NetU41_4: U41.4 Z27.3 | length 3.3
  1_TOP w0.15: U41.4@193.4,87.625 193.4,88.35 cw(c194.05,88.35) 194.05,89 Z27.3@195.638,89
NetU41_6: U41.6 Z28.3 | length 4.9
  1_TOP w0.15: U41.6@192.6,87.625 192.6,88.702 cw(c194.548,88.702) 194.548,90.65 Z28.3@195.35,90.65
NetU41_7: U37.7 U41.7 | length 13.1
  1_TOP w0.15: U41.7@192.325,86.95 192,86.95 ccw(c192,86.5) 191.55,86.5 191.55,77.15 ccw(c192.05,77.15) 192.05,76.65 192.286,76.65 ccw(c192.286,77.408) 192.822,76.872 193.044,77.094 cw(c193.481,76.657) 193.481,77.275 U37.7@193.8,77.275
NetU41_9: U41.9 Z26.3 | length 4.8
  1_TOP w0.15: U41.9@192.6,85.875 192.6,84.66 ccw(c193.86,84.66) 193.86,83.4 Z26.3@195.512,83.4
NetU41_11: U41.11 Z25.1 | length 3.5
  1_TOP w0.15: 193.4,85.199 ccw(c193.9,85.2) 193.9,84.7 Z25.1@195.962,84.7 ; 193.4,85.2 U41.11@193.4,85.875